# Altium PCB Stm32_pcb_Variante_2lados.PcbDoc
Units mm, origin at the board's own origin, x right, y up, seen from the top; angles counter-clockwise.
Board outline 59 x 25 mm, 2 copper layers (Top Layer, Bottom Layer); 36 components, 51 nets, 172 pads, 0 vias.
Unrouted connection lines stored in the file: 121.
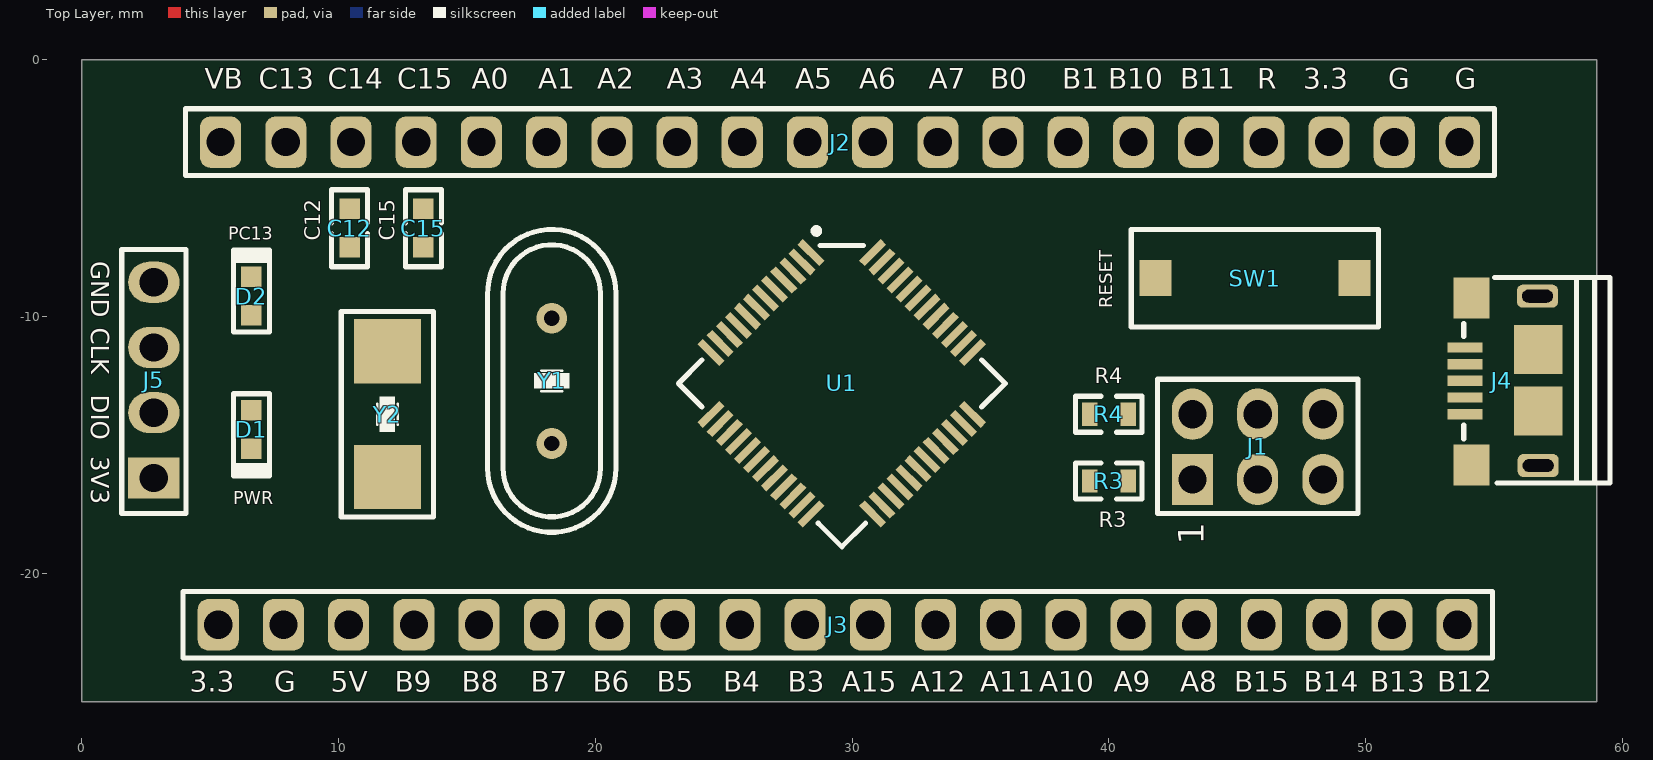
[diagram p0: Top Layer view]
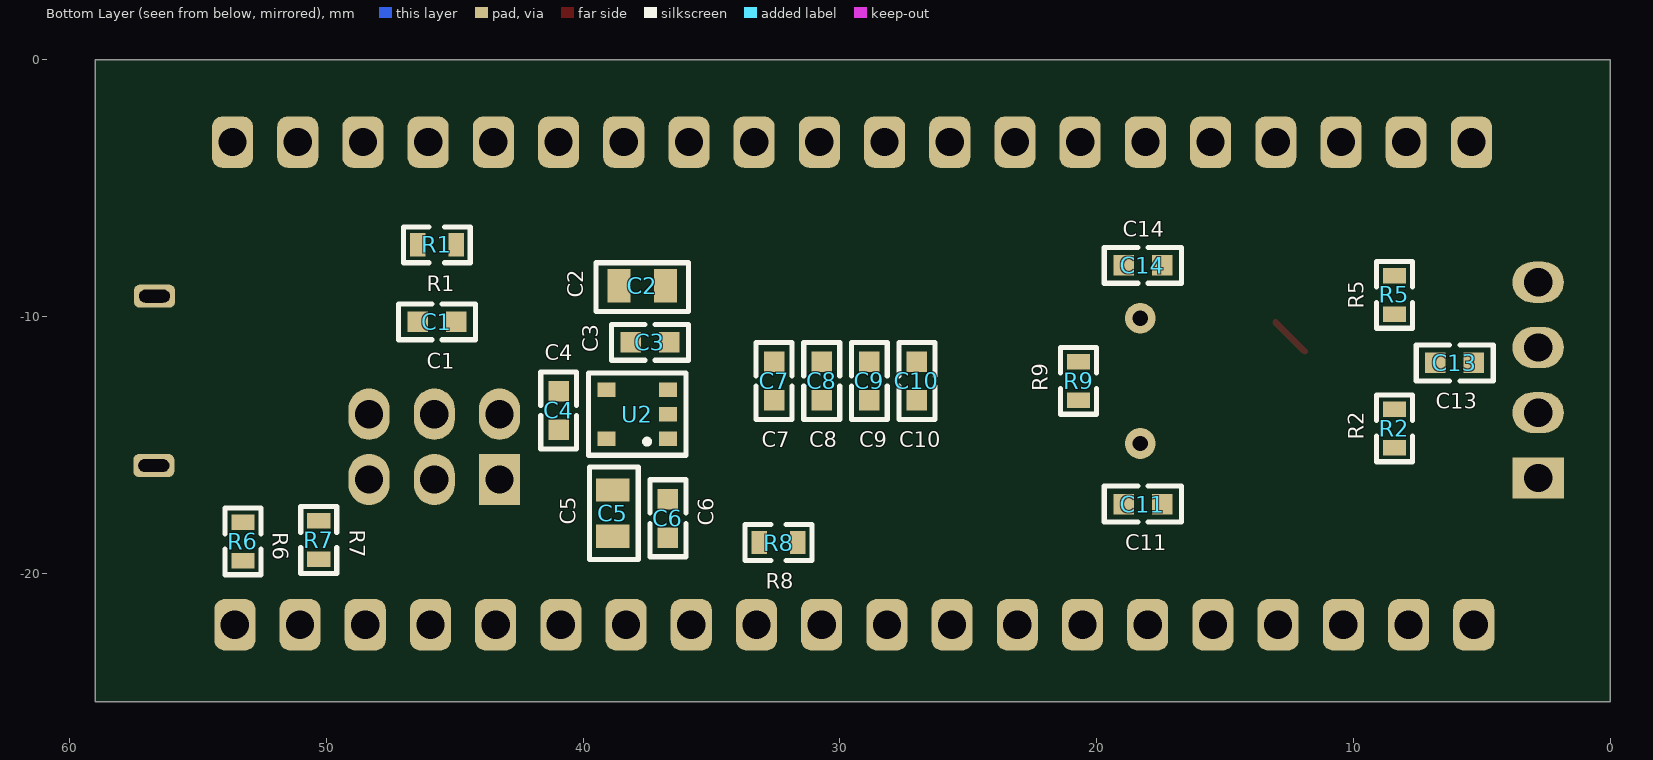
[diagram p1: Bottom Layer view, seen from below]

## Layer stack, top to bottom
Top Solder: solder mask 0.0102, Solder Resist, Dk 3.5
Top Layer: signal copper 0.0356
Dielectric 1: dielectric 0.32, FR-4, Dk 4.8
Bottom Layer: signal copper 0.0356
Bottom Solder: solder mask 0.0102, Solder Resist, Dk 3.5

## Board outline
0,0 0,-25 59,-25 59,0

## Design rules (kind name [scope] priority, off if disabled: settings)
Clearance [All] p1: gap=0.254 ignorepadtopadclearanceinfootprint=FALSE except(0: Arc-Hole Track-Hole SMDPad-Hole THPad-Hole Via-Hole Fill-Hole Poly-Hole Region-Hole Text-Hole)
PolygonConnect [All] p1: connectstyle=Relief reliefconductorwidth=0.254 reliefentries=4 polygonreliefangle="90 Angle" airgapwidth=0.254
RoutingVias [All] p1: holewidth=0.711 width=1.27 viastyle="Through Hole" minholewidth=0.711 minwidth=1.27 maxholewidth=0.711 maxwidth=1.27
SolderMaskExpansion [All] p1: expansion=0.102 istentingtop=FALSE
Width [All] p1: maxlimit=0.254 minlimit=0.254 preferedwidth=0.254
30 further rules are at their usual default settings.

## Components (designator, comment, footprint, x,y, rotation, side; value= is the part's Value field where it differs from the comment)
C1 "100nF" CP-0603 45.7,-10.2 r180 bottom
C2 "10uf / 16V" CP_0805 37.7,-8.8 r180 bottom
C3 "100nF" CP-0603 37.4,-11 r180 bottom
C4 "100nF" CP-0603 40.954,-13.654 r90 bottom
C5 "10uf / 16V" CP_0805 38.854,-17.654 r90 bottom
C6 "100nF" CP-0603 36.7,-17.854 r90 bottom
C7 "100nF" CP-0603 32.563,-12.5 r90 bottom locked
C8 "100nF" CP-0603 30.709,-12.5 r270 bottom locked
C9 "100nF" CP-0603 28.854,-12.5 r90 bottom locked
C10 "100nF" CP-0603 27,-12.5 r270 bottom locked
C11 "20pF" CP-0603 18.2,-17.3 r0 bottom
C12 "20pF" CP-0603 10.426,-6.554 r90 top
C13 "100nF" CP-0603 6.05,-11.8 r0 bottom
C14 "20pF" CP-0603 18.2,-8 r0 bottom
C15 "20pF" CP-0603 13.3,-6.554 r90 top
D1 "PWR" LED_Green 6.6,-14.4 r90 top
D2 "PC13" LED_Orange 6.6,-9.2 r270 top locked
J1 "HDR_2x3_2,54mm" "Header Male 2x3 2,54mm" 43.26,-16.34 r90 top locked
J2 "HDR_1x20_2,54mm" HDR_1X20_2,54MM 5.4,-3.2 r90 top locked
J3 "HDR_1x20_2,54mm" HDR2_1X20_2,54MM 5.31,-22 r90 top locked
J4 "10118193-0001LF" MICRO-USB 55.3,-12.5 r90 top locked
J5 "SWD" "HDR_M 1x4 2.54mm" 2.8,-16.28 r180 top locked
R1 "10K" R-0603 45.7,-7.2 r0 bottom
R2 "510r" R-0603 8.4,-14.35 r90 bottom
R3 "100K" R-0603 40,-16.4 r0 top
R4 "100K" R-0603 40,-13.8 r180 top
R5 "510r" R-0603 8.4,-9.15 r270 bottom
R6 "20r" R-0603 53.254,-18.754 r270 bottom
R7 "20r" R-0603 50.3,-18.7 r270 bottom
R8 "1,5k" R-0603 32.391,-18.8 r0 bottom
R9 "1M" R-0603 20.7,-12.5 r270 bottom
SW1 "RESET" "Push Button" 45.7,-8.5 r180 top locked
U1 "STM32F103C8T6" STM32F1 29.6,-12.6 r315 top
U2 "RT9193-33GB" SOT_23_5 37.9,-13.8 r0 bottom
Y1 "8Mhz" CK_8Mhz 18.3,-12.5 r270 top locked
Y2 "32.768Khz" CK_32.768KHZ 11.9,-13.8 r90 top

## Footprints (in the part's own frame and the unit in brackets; to place one, negate y for a bottom-side part, rotate by r counter-clockwise, add the part's x,y. Pads: shape width x height; smd on the part's side, far side on the other; paste and mask are expansions set on the pad)
CK_8Mhz [mm]
  round 1.2 hole 0.6: 1(-2.44,0) 2(2.44,0)
  silkscreen extent -5.9,-2.5 5.9,2.5, body extent -5.75,-2.5 5.75,2.5, height 3.51
CK_32.768KHZ [mm]
  rect 2.5x2.6 smd: 1(-2.45,0) 2(2.45,0)
  silkscreen extent -4,-1.8 4,1.8, body extent -3.05,-1.75 3.05,1.75, height 1.45
CP-0603 [mm]
  rect 0.8x0.8 smd: 1(-0.75,0) 2(0.75,0)
  silkscreen extent -1.5,-0.7 1.5,0.7, body extent -0.8,-0.4 0.8,0.4, height 0.81
CP_0805 [mm]
  rect 0.9x1.3 smd: 1(-0.9,0) 2(0.9,0)
  silkscreen extent -1.8,-1 1.8,0.9, body extent -1,-0.6 1,0.6, height 0.96
HDR2_1X20_2,54MM [mm]
  rrect50% 2x1.6 hole 1.1: 1(0,0) 2(0,-2.54) 3(0,-5.08) 4(0,-7.62) 5(0,-10.16) 6(0,-12.7) 7(0,-15.24) 8(0,-17.78) 9(0,-20.32) 10(0,-22.86) 11(0,-25.4) 12(0,-27.94) 13(0,-30.48) 14(0,-33.02) 15(0,-35.56) 16(0,-38.1) 17(0,-40.64) 18(0,-43.18) 19(0,-45.72) 20(0,-48.26)
  silkscreen extent -1.3,-49.63 1.3,1.37, body extent -1.27,-49.43 1.27,1.37, height 5.7
HDR_1X20_2,54MM [mm]
  rrect50% 2x1.6 hole 1.1: 1(0,0) 2(0,-2.54) 3(0,-5.08) 4(0,-7.62) 5(0,-10.16) 6(0,-12.7) 7(0,-15.24) 8(0,-17.78) 9(0,-20.32) 10(0,-22.86) 11(0,-25.4) 12(0,-27.94) 13(0,-30.48) 14(0,-33.02) 15(0,-35.56) 16(0,-38.1) 17(0,-40.64) 18(0,-43.18) 19(0,-45.72) 20(0,-48.26)
  silkscreen extent -1.3,-49.63 1.3,1.37, body extent -1.27,-49.43 1.27,1.37, height 5.7
"HDR_M 1x4 2.54mm" [mm]
  rect 2x1.6 hole 1.1: 1(0,0)
  oval 2x1.6 hole 1.1: 2(0,-2.54) 3(0,-5.08) 4(0,-7.62)
  silkscreen extent -1.25,-8.9 1.25,1.39, body extent -1.27,-8.89 1.27,1.27, height 9.21
"Header Male 2x3 2,54mm" [mm]
  rect 2x1.6 hole 1.1: 1(0,0)
  oval 2x1.6 hole 1.1: 2(2.54,0) 3(0,-2.54) 4(2.54,-2.54) 5(0,-5.08) 6(2.54,-5.08)
  silkscreen extent -1.33,-6.44 3.9,1.36, body extent -1.27,-6.35 3.81,1.27, height 9.21
LED_Green [mm]
  rect 0.8x0.8 smd: 1(-0.75,0) 2(0.75,0)
  silkscreen extent -1.8,-0.8 1.4,0.8, body extent -0.8,-0.4 0.8,0.4, height 0.4
LED_Orange [mm]
  rect 0.8x0.8 smd: 1(-0.75,0) 2(0.75,0)
  silkscreen extent -1.8,-0.8 1.4,0.8, body extent -0.8,-0.4 0.8,0.4, height 0.71
MICRO-USB [mm]
  rect 0.4x1.35 smd mask+0.05: 1(-1.3,1.425) 2(-0.65,1.425) 3(0,1.425) 4(0.65,1.425) 5(1.3,1.425)
  rect 1.6x1.4 smd mask+0.05: 6(-3.275,1.175) 7(3.225,1.175)
  rrect50% 0.9x1.6 hole 0.5 slot 1.2 at 90 deg mask+0.05: 8(-3.3,-1.425) 9(3.3,-1.4)
  rect 1.9x1.9 smd mask+0.05: 10(-1.175,-1.425) 11(1.225,-1.425)
  silkscreen extent -3.97,-4.22 4.03,1.48, body extent -3.93,-4.21 3.93,1.45, height 2.87
"Push Button" [mm]
  rect 1.25x1.4 smd: 1(-3.875,0) 2(3.875,0)
  silkscreen extent -4.8,-1.9 4.83,1.9, body extent -3.99,-1.9 4.01,1.8, height 2.51
R-0603 [mm]
  rect 0.6x0.9 smd: 1(-0.75,0) 2(0.75,0)
  silkscreen extent -1.3,-0.7 1.3,0.7, body extent -0.83,-0.42 0.77,0.43, height 0.81
SOT_23_5 [mm]
  rect 0.7x0.56 smd: 1(-1.2,0.95) 2(-1.2,0) 3(-1.2,-0.95) 4(1.2,-0.95) 5(1.2,0.95)
  silkscreen extent -1.9,-1.6 1.9,1.6, body extent -1.25,-1.5 1.25,1.5, height 1.11
STM32F1 [mm]
  rect 1.2x0.3 smd mask+0.03: 1(-4.45,2.75) 2(-4.45,2.25) 3(-4.45,1.75) 4(-4.45,1.25) 5(-4.45,0.75) 6(-4.45,0.25) 7(-4.45,-0.25) 8(-4.45,-0.75) 9(-4.45,-1.25) 10(-4.45,-1.75) 11(-4.45,-2.25) 12(-4.45,-2.75) 25(4.45,-2.75) 26(4.45,-2.25) 27(4.45,-1.75) 28(4.45,-1.25) 29(4.45,-0.75) 30(4.45,-0.25) 31(4.45,0.25) 32(4.45,0.75) 33(4.45,1.25) 34(4.45,1.75) 35(4.45,2.25) 36(4.45,2.75)
  rect 0.3x1.2 smd mask+0.03: 13(-2.75,-4.45) 14(-2.25,-4.45) 15(-1.75,-4.45) 16(-1.25,-4.45) 17(-0.75,-4.45) 18(-0.25,-4.45) 19(0.25,-4.45) 20(0.75,-4.45) 21(1.25,-4.45) 22(1.75,-4.45) 23(2.25,-4.45) 24(2.75,-4.45) 37(2.75,4.45) 38(2.25,4.45) 39(1.75,4.45) 40(1.25,4.45) 41(0.75,4.45) 42(0.25,4.45) 43(-0.25,4.45) 44(-0.75,4.45) 45(-1.25,4.45) 46(-1.75,4.45) 47(-2.25,4.45) 48(-2.75,4.45)
  silkscreen extent -5,-4.5 4.5,4.5, body extent -4.5,-4.5 4.5,4.5, height 1.56

## Part data
C1 C3 C4 C6 C7 C8 C9 C10 C13: library part C-0603_100nF, "Multilayer Ceramic Capacitors (MLCC) - SMD/SMT 50volts 0.1uF X7R 10%", Case Code (Imperial)=0603, Case Code (Metric)=1608, Dielectric=X7R, Dielectric Material=Ceramic, Manufacturer=KEMET, Manufacturer Part Number=C0603C104K5RACTU, Max Operating Temperature=125°C, Min Operating Temperature=-55°C, Package Quantity=1, Supplier Part Number 1=399-C0603C104K5RAC7867CT-ND, Tolerance=10%, Voltage=50V, Capacitance=100nF, Case/Package=0603, Category="Ceramic Capacitors", Contact Plating=Tin,Matte, Depth=0.8mm, Dissipation Factor=2.5%, Height=0.8mm, Lead Pitch=0.7mm, Length=0.063inch, Mount="Surface Mount", Number of Pins=2, Packaging="Tape and Reel", Pricing 1="1=0,11000, 10=0,08100, 50=0,04400, 100=0,03600, 500=0,02572, 1000=0,02021 (USD)", Radiation Hardening=No, REACH SVHC="No SVHC", RoHS=Yes, RoHS Compliant=Yes, Series="SMD Comm X7R", Stock 1=8270795, Supplier 1=Digi-Key, Termination=SMD/SMT, Thickness=0.034inch, Voltage Rating=50V, Voltage Rating (DC)=50V, Width=0.031inch
C2 C5: library part "C-0805 10uF / 16V", "TDK - C2012X5R1C106M085AC - SMD Multilayer Ceramic Capacitor, 10 µF, 16 V, 0805 [2012 Metric], ± 20%, X5R, C Series TDK", Capacitance=10uF, Case Code (Imperial)=0805, Case Code (Metric)=2012, Dielectric=X5R, Dielectric Material=Ceramic, Manufacturer=TDK, Manufacturer Part Number=C2012X5R1C106M085AC, Max Operating Temperature=85°C, Min Operating Temperature=-55°C, Package Quantity=4000, Supplier Part Number 1=445-7645-1-ND, Tolerance=20%, Voltage=16V, Case/Package=0805, Category="Ceramic Capacitors", ComponentLink1Description=https://datasheet.ciiva.com/24218/c2012x5r1c106m085ac-265002-24218340.pdf?src-supplier=Mouser, ComponentLink1URL=https://datasheet.ciiva.com/24218/c2012x5r1c106m085ac-265002-24218340.pdf?src-supplier=Mouser, ComponentLink2Description=https://datasheet.ciiva.com/11788/0900766b80c1bb00-11788108.pdf?src-supplier=RSComponents, ComponentLink2URL=https://datasheet.ciiva.com/11788/0900766b80c1bb00-11788108.pdf?src-supplier=RSComponents, ComponentLink3Description=https://datasheet.ciiva.com/6290/tdkmlcccaprange-6290487.pdf?src-supplier=Digi-Key, ComponentLink3URL=https://datasheet.ciiva.com/6290/tdkmlcccaprange-6290487.pdf?src-supplier=Digi-Key, ComponentLink4Description=https://datasheet.ciiva.com/6290/tdkmlcccaprange-6290485.pdf?src-supplier=Digi-Key, ComponentLink4URL=https://datasheet.ciiva.com/6290/tdkmlcccaprange-6290485.pdf?src-supplier=Digi-Key, ComponentLink5Description=https://datasheet.ciiva.com/16449/e412-c-16449591.pdf?src-supplier=Future+Electronics, ComponentLink5URL=https://datasheet.ciiva.com/16449/e412-c-16449591.pdf?src-supplier=Future+Electronics, ComponentLink6Description=https://datasheet.ciiva.com/22725/1913358-22725557.pdf?src-supplier=Element14, ComponentLink6URL=https://datasheet.ciiva.com/22725/1913358-22725557.pdf?src-supplier=Element14, ComponentLink7Description=https://datasheet.ciiva.com/23803/1796654-23803021.pdf?src-supplier=Newark, ComponentLink7URL=https://datasheet.ciiva.com/23803/1796654-23803021.pdf?src-supplier=Newark, Construction=Flat, Depth=1.25mm, Height=0.85mm, Lead Free="Lead Free", Length=2mm, Mount="Surface Mount", Number of Pins=2, Packaging="Tape and Reel", Pricing 1="1=0,28000, 10=0,19000, 50=0,11380, 100=0,09610, 500=0,06578, 1000=0,05819 (USD)", REACH SVHC="No SVHC", Resistor Type=Ceramic, RoHS=Yes, Series=C, Stock 1=520514, Supplier 1=Digi-Key, Termination=SMD/SMT, Thickness=0.037inch, Voltage Rating=16V, Voltage Rating (DC)=16V, Weight=0.000194oz, Width=0.049inch
C11 C12 C14 C15: library part C-0603_20pF, "Cap Ceramic 20pF 50V C0G 2% SMD 0603 125°C Paper T/R", Case/Package=0603, Dielectric=C0G, Dielectric Material=Ceramic, Manufacturer=KEMET, Manufacturer Part Number=C0603C200G5GAC7867, Max Operating Temperature=125°C, Min Operating Temperature=-55°C, Supplier Part Number 1=399-14497-1-ND, Tolerance=2%, Voltage Rating (DC)=50V, Capacitance=20pF, Category="Ceramic Capacitors", ComponentLink1Description=https://api.kemet.com/component-edge/download/datasheet/C0603C200G5GACTU.pdf?src-supplier=Digi-Key, ComponentLink1URL=https://api.kemet.com/component-edge/download/datasheet/C0603C200G5GACTU.pdf?src-supplier=Digi-Key, ComponentLink2Description=http://capacitoredge.kemet.com/capedge2/DataSheet?pn=C0603C200G5GAC7867, ComponentLink2URL=http://capacitoredge.kemet.com/capedge2/DataSheet?pn=C0603C200G5GAC7867, Depth=0.8mm, Height=0.8mm, Lead Free="Lead Free", Length=1.6mm, Mount="Surface Mount", Pricing 1="1=0,68000, 10=0,47800, 50=0,36140, 100=0,31470, 500=0,23310, 1000=0,19814 (USD)", Radiation Hardening=No, RoHS=Yes, Stock 1=1306, Supplier 1=Digi-Key
D1: library part LED_Green, "LED Uni-Color Green 2-Pin Chip 0603(1608Metric) T/R", Case Code (Imperial)=0603, Case Code (Metric)=1608, Color=Green, Forward Current=20mA, Forward Voltage=2V, Lens Color=White, Manufacturer="Osram Opto", Manufacturer Part Number="LG Q396-PS-35", Supplier Part Number 1=LGQ396-PS-35-ND, Case/Package=0603, Category=LEDs, ComponentLink1Description=http://www.farnell.com/datasheets/2057314.pdf?src-supplier=Farnell, ComponentLink1URL=http://www.farnell.com/datasheets/2057314.pdf?src-supplier=Farnell, ComponentLink2Description=http://www.farnell.com/datasheets/2057314.pdf?src-supplier=Element14, ComponentLink2URL=http://www.farnell.com/datasheets/2057314.pdf?src-supplier=Element14, ComponentLink3Description=https://dammedia.osram.info/media/resource/hires/osram-dam-2493948/LG%20Q396.pdf?src-supplier=Digi-Key, ComponentLink3URL=https://dammedia.osram.info/media/resource/hires/osram-dam-2493948/LG%20Q396.pdf?src-supplier=Digi-Key, ComponentLink4Description=http://www.farnell.com/datasheets/2057314.pdf?src-supplier=Newark, ComponentLink4URL=http://www.farnell.com/datasheets/2057314.pdf?src-supplier=Newark, ComponentLink5Description=http://www.osram-os.com/Graphics/XPic6/00153197_0.pdf?src-supplier=Digi-Key, ComponentLink5URL=http://www.osram-os.com/Graphics/XPic6/00153197_0.pdf?src-supplier=Digi-Key, Dominant Wavelength=573nm, Height=0.4mm, Length=1.6mm, Lens Size=0.8mm, Lens Style=Flat,Rectangular, Lens Transparency=Diffused, Luminous Intensity=163mcd, Mount="Surface Mount", Packaging="Tape and Reel", REACH SVHC="No SVHC", RoHS=Yes, RoHS Compliant=Yes, Supplier 1=Digi-Key, Test Current=20mA, Viewing Angle=120°, Wavelength=573nm, Width=0.8mm
D2: library part LED_Orange, "Smartled Orange Lc", Case Code (Imperial)=0603, Case Code (Metric)=1608, Color=Orange, Forward Current=20mA, Forward Voltage=2.2V, Lens Color=White, Manufacturer="Osram Opto", Manufacturer Part Number=LOL29K-H2K1-24-Z, Max Operating Temperature=100°C, Min Operating Temperature=-40°C, Package Quantity=5000, Reverse Voltage=12V, Supplier Part Number 1="LO L29K-H2K1-24-Z", Test Current=2mA, Case/Package=0603, Category=Uncategorized, ComponentLink1Description=https://datasheet.ciiva.com/2112/00077105-0-2112905.pdf?src-supplier=Digi-Key, ComponentLink1URL=https://datasheet.ciiva.com/2112/00077105-0-2112905.pdf?src-supplier=Digi-Key, ComponentLink2Description=https://datasheet.ciiva.com/2112/00077105-0-2112904.pdf?src-supplier=Digi-Key, ComponentLink2URL=https://datasheet.ciiva.com/2112/00077105-0-2112904.pdf?src-supplier=Digi-Key, ComponentLink3Description=https://datasheet.ciiva.com/2112/00077105-0-2112906.pdf?src-supplier=Digi-Key, ComponentLink3URL=https://datasheet.ciiva.com/2112/00077105-0-2112906.pdf?src-supplier=Digi-Key, ComponentLink4Description=https://datasheet.ciiva.com/15198/getdatasheetpartid-693885-15198412.pdf?src-supplier=Verical, ComponentLink4URL=https://datasheet.ciiva.com/15198/getdatasheetpartid-693885-15198412.pdf?src-supplier=Verical, Depth=0.8mm, Dominant Wavelength=606nm, Height=0.65mm, Illumination Color=Orange, Length=1.3mm, Lens Size=0.8mm, Lens Style=Flat,Diffused,Colorless,Rectangular, Lens Transparency=Diffused, Luminous Flux=0.025lm, Luminous Intensity=9mcd, Mount="Surface Mount", Number of Elements=1, Number of LEDs=1, Number of Pins=2, Packaging="Tape and Reel", Radiation Hardening=No, RoHS=Yes, RoHS Compliant=Yes, Series=SmartLED, Supplier 1="Arrow Electronics", Viewing Angle=160°, Width=0.8mm
J1: "2.54mm (0.1\") Pitch DIL Vertical PC Tail Pin Header, 8.5mm mating pin height, tin, 3+3 contacts", Color=Black, Contact Resistance=30mR, Current Rating=3A, Insulation Resistance=10GR, Manufacturer=Harwin, Manufacturer Part Number=M20-9970346, Max Operating Temperature=105°C, Min Operating Temperature=-40°C, Package Quantity=1000, Supplier Part Number 1=952-3290-ND, Category="Headers and Wire Housings", ComponentLink1Description=https://datasheet.ciiva.com/5162/m20-997-351477-5162774.pdf?src-supplier=Mouser, ComponentLink1URL=https://datasheet.ciiva.com/5162/m20-997-351477-5162774.pdf?src-supplier=Mouser, ComponentLink2Description=https://datasheet.ciiva.com/11747/0900766b80da602a-11747466.pdf?src-supplier=RSComponents, ComponentLink2URL=https://datasheet.ciiva.com/11747/0900766b80da602a-11747466.pdf?src-supplier=RSComponents, Connector Type="Male Pin", Contact Material=Brass,Bronze, Contact Mating Length=0.335inch, Contact Plating=Tin, Contact Type="Male Pin", Depth=5.08mm, Housing Color=Black, Housing Material=Nylon, Length=7.62mm, Max Current Rating=3A, Mount="Through Hole", Number of Contacts=6, Number of Positions=6, Number of Rows=2, Orientation=Straight, Packaging=Bulk, Pitch=2.54mm, Pricing 1="1=0,44000, 10=0,37400, 100=0,29070, 500=0,24916, 1000=0,20764, 5000=0,17798, 10000=0,16611 (USD)", REACH SVHC="No SVHC", RoHS=Yes, Row Spacing=0.1inch, Series=M20, Stock 1=1303, Supplier 1=Digi-Key, Termination=Solder
J2: library part HDR_1x20_p1, "2.54mm (0.1\") Pitch SIL Vertical PC Tail Pin Header, 6.1mm mating pin height, tin, 20 contacts", Case/Package=SIL, Color=Black, Contact Resistance=30mR, Current Rating=3A, Insulation Resistance=10GR, Manufacturer=Harwin, Manufacturer Part Number=M20-9992046, Max Operating Temperature=105°C, Min Operating Temperature=-40°C, Package Quantity=200, Supplier Part Number 1=952-1902-ND, Category="Headers and Wire Housings", ComponentLink1Description=https://datasheet.ciiva.com/11746/0900766b80da602d-11746823.pdf?src-supplier=RSComponents, ComponentLink1URL=https://datasheet.ciiva.com/11746/0900766b80da602d-11746823.pdf?src-supplier=RSComponents, ComponentLink2Description=https://datasheet.ciiva.com/9480/m20-999-9480261.pdf?src-supplier=Avnet, ComponentLink2URL=https://datasheet.ciiva.com/9480/m20-999-9480261.pdf?src-supplier=Avnet, ComponentLink3Description=https://datasheet.ciiva.com/5162/m20-999-351179-5162878.pdf?src-supplier=Mouser, ComponentLink3URL=https://datasheet.ciiva.com/5162/m20-999-351179-5162878.pdf?src-supplier=Mouser, ComponentLink4Description=https://datasheet.ciiva.com/6814/m20-999-6814908.pdf?src-supplier=Digi-Key, ComponentLink4URL=https://datasheet.ciiva.com/6814/m20-999-6814908.pdf?src-supplier=Digi-Key, ComponentLink5Description=https://datasheet.ciiva.com/8046/315376-8046943.pdf?src-supplier=Element14, ComponentLink5URL=https://datasheet.ciiva.com/8046/315376-8046943.pdf?src-supplier=Element14, Connector Type="Male Pin", Contact Material=Brass,Bronze, Contact Mating Length=0.24inch, Contact Plating=Tin, Contact Type="Male Pin", Depth=2.54mm, Gender=Male, Housing Color=Black, Housing Material=Nylon, Length=50.8mm, Max Current Rating=3A, Mount="Through Hole", Number of Contacts=20, Number of Positions=20, Number of Rows=1, Orientation=Straight, Packaging=Bulk, Pitch=2.54mm, Pricing 1="1=0,81000, 10=0,70300, 100=0,57960, 500=0,50400, 1000=0,41580, 5000=0,36540, 10000=0,34020 (USD)", REACH SVHC="No SVHC", RoHS=Yes, RoHS Compliant=Yes, Series=M20, Stock 1=425, Supplier 1=Digi-Key, Termination=Solder
J3: library part HDR_1x20_p2, "2.54mm (0.1\") Pitch SIL Vertical PC Tail Pin Header, 6.1mm mating pin height, tin, 20 contacts", Case/Package=SIL, Color=Black, Contact Resistance=30mR, Current Rating=3A, Insulation Resistance=10GR, Manufacturer=Harwin, Manufacturer Part Number=M20-9992046, Max Operating Temperature=105°C, Min Operating Temperature=-40°C, Package Quantity=200, Supplier Part Number 1=952-1902-ND, Category="Headers and Wire Housings", ComponentLink1Description=https://datasheet.ciiva.com/11746/0900766b80da602d-11746823.pdf?src-supplier=RSComponents, ComponentLink1URL=https://datasheet.ciiva.com/11746/0900766b80da602d-11746823.pdf?src-supplier=RSComponents, ComponentLink2Description=https://datasheet.ciiva.com/9480/m20-999-9480261.pdf?src-supplier=Avnet, ComponentLink2URL=https://datasheet.ciiva.com/9480/m20-999-9480261.pdf?src-supplier=Avnet, ComponentLink3Description=https://datasheet.ciiva.com/5162/m20-999-351179-5162878.pdf?src-supplier=Mouser, ComponentLink3URL=https://datasheet.ciiva.com/5162/m20-999-351179-5162878.pdf?src-supplier=Mouser, ComponentLink4Description=https://datasheet.ciiva.com/6814/m20-999-6814908.pdf?src-supplier=Digi-Key, ComponentLink4URL=https://datasheet.ciiva.com/6814/m20-999-6814908.pdf?src-supplier=Digi-Key, ComponentLink5Description=https://datasheet.ciiva.com/8046/315376-8046943.pdf?src-supplier=Element14, ComponentLink5URL=https://datasheet.ciiva.com/8046/315376-8046943.pdf?src-supplier=Element14, Connector Type="Male Pin", Contact Material=Brass,Bronze, Contact Mating Length=0.24inch, Contact Plating=Tin, Contact Type="Male Pin", Depth=2.54mm, Gender=Male, Housing Color=Black, Housing Material=Nylon, Length=50.8mm, Max Current Rating=3A, Mount="Through Hole", Number of Contacts=20, Number of Positions=20, Number of Rows=1, Orientation=Straight, Packaging=Bulk, Pitch=2.54mm, Pricing 1="1=0,81000, 10=0,70300, 100=0,57960, 500=0,50400, 1000=0,41580, 5000=0,36540, 10000=0,34020 (USD)", REACH SVHC="No SVHC", RoHS=Yes, RoHS Compliant=Yes, Series=M20, Stock 1=425, Supplier 1=Digi-Key, Termination=Solder
J4: library part Micro-Usb, "FCI Right Angle Surface Mount Mount Female USB Connector; 100 V ac; 1.8A", Manufacturer="Amphenol ICC / FCI", Supplier Part Number 1=67T2259, Category="USB Connectors", ComponentLink1Description=http://uk.rs-online.com/webdocs/1450/0900766b814507f1.pdf?src-supplier=RSComponents, ComponentLink1URL=http://uk.rs-online.com/webdocs/1450/0900766b814507f1.pdf?src-supplier=RSComponents, ComponentLink2Description=http://www.amphenol-icc.com/media/wysiwyg/files/drawing/10118193.pdf?src-supplier=Digi-Key, ComponentLink2URL=http://www.amphenol-icc.com/media/wysiwyg/files/drawing/10118193.pdf?src-supplier=Digi-Key, ComponentLink3Description=https://cdn.amphenol-icc.com/media/wysiwyg/files/documentation/datasheet/inputoutput/io_usb_micro.pdf?src-supplier=Digi-Key, ComponentLink3URL=https://cdn.amphenol-icc.com/media/wysiwyg/files/documentation/datasheet/inputoutput/io_usb_micro.pdf?src-supplier=Digi-Key, ComponentLink4Description=https://cdn.amphenol-icc.com/media/wysiwyg/files/documentation/datasheet/inputoutput/io_usb_micro.pdf?src-supplier=Verical, ComponentLink4URL=https://cdn.amphenol-icc.com/media/wysiwyg/files/documentation/datasheet/inputoutput/io_usb_micro.pdf?src-supplier=Verical, ComponentLink5Description=https://cdn.amphenol-icc.com/media/wysiwyg/files/documentation/datasheet/inputoutput/io_usb_micro.pdf?src-supplier=Onlinecomponents.com, ComponentLink5URL=https://cdn.amphenol-icc.com/media/wysiwyg/files/documentation/datasheet/inputoutput/io_usb_micro.pdf?src-supplier=Onlinecomponents.com, ComponentLink6Description=https://cdn.amphenol-icc.com/media/wysiwyg/files/documentation/datasheet/inputoutput/io_usb_micro.pdf?src-supplier=Allied+Electronics, ComponentLink6URL=https://cdn.amphenol-icc.com/media/wysiwyg/files/documentation/datasheet/inputoutput/io_usb_micro.pdf?src-supplier=Allied+Electronics, ComponentLink7Description=https://cdn.amphenol-icc.com/media/wysiwyg/files/documentation/datasheet/inputoutput/io_usb_micro.pdf?src-supplier=Avnet, ComponentLink7URL=https://cdn.amphenol-icc.com/media/wysiwyg/files/documentation/datasheet/inputoutput/io_usb_micro.pdf?src-supplier=Avnet, ComponentLink8Description=https://cdn.amphenol-icc.com/media/wysiwyg/files/documentation/datasheet/inputoutput/io_usb_micro.pdf?src-supplier=Mouser, ComponentLink8URL=https://cdn.amphenol-icc.com/media/wysiwyg/files/documentation/datasheet/inputoutput/io_usb_micro.pdf?src-supplier=Mouser, ComponentLink9Description=https://cdn.amphenol-icc.com/media/wysiwyg/files/documentation/datasheet/inputoutput/io_usb_micro.pdf?src-supplier=Arrow+Electronics, ComponentLink9URL=https://cdn.amphenol-icc.com/media/wysiwyg/files/documentation/datasheet/inputoutput/io_usb_micro.pdf?src-supplier=Arrow+Electronics, ComponentLink10Description=https://cdn.amphenol-icc.com/media/wysiwyg/files/documentation/datasheet/inputoutput/io_usb_micro.pdf?src-supplier=RSComponents, ComponentLink10URL=https://cdn.amphenol-icc.com/media/wysiwyg/files/documentation/datasheet/inputoutput/io_usb_micro.pdf?src-supplier=RSComponents, ComponentLink11Description=https://cdn.amphenol-icc.com/media/wysiwyg/files/documentation/datasheet/inputoutput/io_usb_micro.pdf?src-supplier=Heilind+Electronics, ComponentLink11URL=https://cdn.amphenol-icc.com/media/wysiwyg/files/documentation/datasheet/inputoutput/io_usb_micro.pdf?src-supplier=Heilind+Electronics, ComponentLink12Description=https://cdn.amphenol-icc.com/media/wysiwyg/files/documentation/datasheet/inputoutput/io_usb_micro.pdf?src-supplier=TTI, ComponentLink12URL=https://cdn.amphenol-icc.com/media/wysiwyg/files/documentation/datasheet/inputoutput/io_usb_micro.pdf?src-supplier=TTI, ComponentLink13Description=https://cdn.amphenol-icc.com/media/wysiwyg/files/documentation/datasheet/inputoutput/io_usb_micro.pdf?src-supplier=TME, ComponentLink13URL=https://cdn.amphenol-icc.com/media/wysiwyg/files/documentation/datasheet/inputoutput/io_usb_micro.pdf?src-supplier=TME, Manufacturer Part Number=10118193-0001LF, Pricing 1="1=0,53800, 25=0,38000, 100=0,36700, 250=0,34300, 500=0,31900 (USD)", RoHS=No, Stock 1=17288, Supplier 1=Avnet
J5: library part HDR_1x4_2.54mm, "Conn Unshrouded Header HDR 4 POS 2.54mm Solder ST Top Entry Thru-Hole T/R", Color=Black, Current Rating=3A, Insulation Resistance=5GR, Manufacturer="Amphenol ICC / FCI", Manufacturer Part Number=77311-462K04LF, Max Operating Temperature=125°C, Max Voltage Rating (AC)=1.5kV, Min Operating Temperature=-65°C, Package Quantity=1400, Category="Headers and Wire Housings", ComponentLink1Description=https://datasheet.ciiva.com/739/77311-739277.pdf?src-supplier=Digi-Key, ComponentLink1URL=https://datasheet.ciiva.com/739/77311-739277.pdf?src-supplier=Digi-Key, ComponentLink2Description=https://datasheet.ciiva.com/739/77311-739280.pdf?src-supplier=Digi-Key, ComponentLink2URL=https://datasheet.ciiva.com/739/77311-739280.pdf?src-supplier=Digi-Key, ComponentLink3Description=https://datasheet.ciiva.com/10147/77311-10147511.pdf?src-supplier=Avnet, ComponentLink3URL=https://datasheet.ciiva.com/10147/77311-10147511.pdf?src-supplier=Avnet, Connector Type="Male Pin", Contact Gender=Male, Contact Material=Bronze, Contact Mating Length=0.531inch, Contact Plating=Tin, Contact Post Length=3.05mm, Contact Type="Male Pin", Depth=2.4mm, Gender=Male, Housing Color=Black, Housing Material=Thermoplastic, Lead Free="Lead Free", Length=10.16mm, Mount="Through Hole", Number of Contacts=4, Number of Positions=4, Number of Rows=1, Orientation=Straight, Packaging="Tape and Reel", Pitch=2.54mm, Radiation Hardening=No, RoHS=Yes, Series="BERGSTIK®, MezzSelect™, Basics+", Supplier 1="Arrow Electronics", Supplier Part Number 1=77311-462K04LF, Termination=Solder, Voltage Rating=1.5kV
R1: library part R_0603_10K, "Res Thin Film 0603 10K Ohm 0.5% 0.1W(1/10W) ±50ppm/C Epoxy SMD T/R", Case Code (Imperial)=0603, Case Code (Metric)=1608, Manufacturer=Yageo, Manufacturer Part Number=RT0603DRE0710KL, Max Operating Temperature=125°C, Max Power Dissipation=100mW, Min Operating Temperature=-55°C, Package Quantity=5000, Resistance=10kR, Resistor Type="Thin Film", Supplier Part Number 1=YAG2318CT-ND, Temperature Coefficient=50ppm/°C, Tolerance=0.5%, Voltage Rating=75V, Voltage Rating (DC)=50V, Case/Package=0603, Category="Chip SMD Resistors", ComponentLink1Description=https://datasheet.ciiva.com/2565/pyu-rt-1-to-0-05-rohs-l-5-2565939.pdf?src-supplier=Digi-Key, ComponentLink1URL=https://datasheet.ciiva.com/2565/pyu-rt-1-to-0-05-rohs-l-5-2565939.pdf?src-supplier=Digi-Key, Construction=Rectangular, Depth=0.8mm, Features="Moisture Resistant", Height=0.022inch, Lead Free="Lead Free", Length=0.063inch, Military Standard=Not, Number of Terminations=2, Packaging="Tape and Reel", Power Rating=100mW, Pricing 1="1=0,11000, 10=0,09600, 100=0,03700, 1000=0,01626, 2500=0,01404 (USD)", RoHS=Yes, RoHS Compliant=Yes, Series=RT, Size Code=0603, Stock 1=494, Supplier 1=Digi-Key, Termination=SMD/SMT, Width=0.031inch
R2 R5: library part R_0603_510r, "Res Thick Film 0603 510 Ohm 1% 1/10W 100ppm/C Molded SMD Paper T/R", Case Code (Imperial)=0603, Case Code (Metric)=1608, Manufacturer=Yageo, Manufacturer Part Number=RC0603FR-07510RL, Max Operating Temperature=155°C, Max Power Dissipation=100mW, Min Operating Temperature=-55°C, Resistance=510R, Resistance Tolerance=1%, Resistor Type="Thick Film", Supplier Part Number 1=311-510HRCT-ND, Temperature Coefficient=100ppm/°C, Voltage Rating=75V, Voltage Rating (DC)=50V, Case/Package=0603, Category="Chip SMD Resistors", ComponentLink1Description=https://datasheet.ciiva.com/11808/0900766b80f96399-11808268.pdf?src-supplier=RSComponents, ComponentLink1URL=https://datasheet.ciiva.com/11808/0900766b80f96399-11808268.pdf?src-supplier=RSComponents, ComponentLink2Description=https://datasheet.ciiva.com/46395/443971-46395013.pdf?src-supplier=Element14, ComponentLink2URL=https://datasheet.ciiva.com/46395/443971-46395013.pdf?src-supplier=Element14, ComponentLink3Description=https://datasheet.ciiva.com/8883/pyu-rc0603-51-rohs-l-4-8883078.pdf?src-supplier=Avnet, ComponentLink3URL=https://datasheet.ciiva.com/8883/pyu-rc0603-51-rohs-l-4-8883078.pdf?src-supplier=Avnet, Construction=Rectangular, Contact Plating=Tin,Matte, Depth=0.8mm, Features="Moisture Resistant", Height=0.45mm, Lead Free="Lead Free", Length=1.6mm, Military Standard=Not, Number of Pins=2, Number of Terminations=2, Packaging="Tape and Reel", Power Rating=100mW, Pricing 1="1=0,10000, 10=0,02300, 100=0,00930, 1000=0,00417, 2500=0,00362 (USD)", REACH SVHC="No SVHC", RoHS=Yes, RoHS Compliant=Yes, Series=RC, Size Code=0603, Stock 1=1855476, Supplier 1=Digi-Key, Technology="THICK FILM", Termination=SMD/SMT, Tolerance=1%, Weight=7.1E-05oz, Width=0.8mm
R3 R4: library part R_0603_100K, "RES SMD 100K OHM 1% 1/10W 0603", Case Code (Imperial)=0603, Case Code (Metric)=1608, Manufacturer=Yageo, Manufacturer Part Number=RC0603FR-07100KL, Max Operating Temperature=155°C, Max Power Dissipation=100mW, Min Operating Temperature=-55°C, Resistance=100kR, Resistance Tolerance=1%, Resistor Type="Thick Film", Supplier Part Number 1=311-100KHRCT-ND, Temperature Coefficient=100ppm/°C, Voltage Rating=50V, Working Voltage=75V, Case/Package=0603, Category="Chip SMD Resistors", ComponentLink1Description=https://datasheet.ciiva.com/11808/0900766b80f96399-11808107.pdf?src-supplier=RSComponents, ComponentLink1URL=https://datasheet.ciiva.com/11808/0900766b80f96399-11808107.pdf?src-supplier=RSComponents, ComponentLink2Description=https://datasheet.ciiva.com/7983/443971-7983593.pdf?src-supplier=Element14, ComponentLink2URL=https://datasheet.ciiva.com/7983/443971-7983593.pdf?src-supplier=Element14, ComponentLink3Description=https://datasheet.ciiva.com/22747/443971-22747516.pdf?src-supplier=Element14, ComponentLink3URL=https://datasheet.ciiva.com/22747/443971-22747516.pdf?src-supplier=Element14, ComponentLink4Description=https://datasheet.ciiva.com/46440/1868787-46440889.pdf?src-supplier=Element14, ComponentLink4URL=https://datasheet.ciiva.com/46440/1868787-46440889.pdf?src-supplier=Element14, ComponentLink5Description=https://datasheet.ciiva.com/7746/1738695-7746235.pdf?src-supplier=Element14, ComponentLink5URL=https://datasheet.ciiva.com/7746/1738695-7746235.pdf?src-supplier=Element14, ComponentLink6Description=https://datasheet.ciiva.com/7746/1738695-7746234.pdf?src-supplier=Element14, ComponentLink6URL=https://datasheet.ciiva.com/7746/1738695-7746234.pdf?src-supplier=Element14, Construction=Rectangular, Depth=0.8mm, Features="Moisture Resistant", Height=0.45mm, Lead Free="Lead Free", Length=1.6mm, Military Standard=Not, Number of Pins=2, Number of Terminations=2, Packaging="Tape and Reel", Power Rating=100mW, Pricing 1="1=0,10000, 10=0,02300, 100=0,00930, 1000=0,00417, 2500=0,00362 (USD)", REACH SVHC="No SVHC", RoHS=Yes, RoHS Compliant=Yes, Series=RC, Stock 1=18667121, Supplier 1=Digi-Key, Technology="THICK FILM", Termination=SMD/SMT, Tolerance=1%, Voltage Rating (DC)=50V, Width=0.8mm
R6 R7: library part R_0603_20r, "Res Thick Film 0603 20 Ohm 1% 0.1W(1/10W) ±100ppm/C Pad SMD T/R", Case Code (Imperial)=0603, Case Code (Metric)=1608, Manufacturer=Yageo, Manufacturer Part Number=RC0603FR-0720RL, Max Operating Temperature=155°C, Max Power Dissipation=100mW, Min Operating Temperature=-55°C, Package Quantity=1, Resistance=20R, Resistance Tolerance=1%, Resistor Type="Thick Film", Supplier Part Number 1=311-20.0HRCT-ND, Temperature Coefficient=100ppm/°C, Voltage Rating=50V, Working Voltage=75V, Case/Package=0603, Category="Chip SMD Resistors", ComponentLink1Description=https://datasheet.ciiva.com/11819/0900766b80f96399-11819290.pdf?src-supplier=RSComponents, ComponentLink1URL=https://datasheet.ciiva.com/11819/0900766b80f96399-11819290.pdf?src-supplier=RSComponents, ComponentLink2Description=https://datasheet.ciiva.com/46395/443971-46395031.pdf?src-supplier=Element14, ComponentLink2URL=https://datasheet.ciiva.com/46395/443971-46395031.pdf?src-supplier=Element14, ComponentLink3Description=https://datasheet.ciiva.com/2454/pyu-r-int-thick-7-2454028.pdf?src-supplier=Digi-Key, ComponentLink3URL=https://datasheet.ciiva.com/2454/pyu-r-int-thick-7-2454028.pdf?src-supplier=Digi-Key, ComponentLink4Description=https://datasheet.ciiva.com/2454/pyu-r-int-thick-7-2454029.pdf?src-supplier=Digi-Key, ComponentLink4URL=https://datasheet.ciiva.com/2454/pyu-r-int-thick-7-2454029.pdf?src-supplier=Digi-Key, ComponentLink5Description=https://datasheet.ciiva.com/2454/pyu-r-int-thick-7-2454027.pdf?src-supplier=Digi-Key, ComponentLink5URL=https://datasheet.ciiva.com/2454/pyu-r-int-thick-7-2454027.pdf?src-supplier=Digi-Key, ComponentLink6Description=https://datasheet.ciiva.com/12557/rc0603-272842-12557941.pdf?src-supplier=Mouser, ComponentLink6URL=https://datasheet.ciiva.com/12557/rc0603-272842-12557941.pdf?src-supplier=Mouser, ComponentLink7Description=https://datasheet.ciiva.com/15189/getdatasheetpartid-324013-15189653.pdf?src-supplier=Verical, ComponentLink7URL=https://datasheet.ciiva.com/15189/getdatasheetpartid-324013-15189653.pdf?src-supplier=Verical, Construction=Rectangular, Depth=0.8mm, Features="Moisture Resistant", Height=0.45mm, Lead Free="Lead Free", Length=1.6mm, Military Standard=Not, Number of Terminations=2, Packaging="Tape and Reel", Power Rating=100mW, Pricing 1="1=0,10000, 10=0,02300, 100=0,00930, 1000=0,00417, 2500=0,00362 (USD)", REACH SVHC="No SVHC", RoHS=Yes, RoHS Compliant=Yes, Series=RC, Stock 1=807169, Supplier 1=Digi-Key, Technology="THICK FILM", Termination=SMD/SMT, Tolerance=1%, Voltage Rating (DC)=50V, Width=0.8mm
R8: library part R_0603_1,5k, "Res Thin Film 0603 1.5K Ohm 0.1% 1/10W ±25ppm/°C 0.01% Molded SMD SMD Waffle Pack", Case Code (Imperial)=0603, Case Code (Metric)=1608, Manufacturer="Vishay Dale", Manufacturer Part Number=M55342E12B1B50RWS, Max Operating Temperature=150°C, Max Power Dissipation=100mW, Min Operating Temperature=-55°C, Package Quantity=1, Resistance=1.5kR, Resistor Type="Thin Film", Supplier Part Number 1=M55342E12B1B50RWS-MIL, Temperature Coefficient=25ppm/°C, Tolerance=0.1%, Case/Package=0603, Category="Chip SMD Resistors", ComponentLink1Description=https://datasheet.ciiva.com/14991/eh-14991606.pdf?src-supplier=Digi-Key, ComponentLink1URL=https://datasheet.ciiva.com/14991/eh-14991606.pdf?src-supplier=Digi-Key, Contact Plating=Tin,Lead, Failure Rate=0.01%, Features=Military, Height=0.033inch, Length=0.064inch, Military Standard=MIL-PRF-55342, Number of Terminations=2, Packaging=Waffle, Radiation Hardening=No, RoHS=No, RoHS Compliant=No, Series="Military, MIL-PRF-55342, RM0603", Supplier 1=Digi-Key, Width=0.032inch
R9: library part R_0603_1M, "Res Thick Film 0603 1M Ohm 1% 1/10W ±100ppm/°C Molded SMD Paper T/R", Case Code (Imperial)=0603, Case Code (Metric)=1608, Manufacturer=Yageo, Manufacturer Part Number=RC0603FR-071ML, Max Operating Temperature=155°C, Min Operating Temperature=-55°C, Package Quantity=5000, Power Rating=100mW, Resistance=1MR, Resistor Type="Thick Film", Supplier Part Number 1=311-1.00MHRCT-ND, Temperature Coefficient=100ppm/°C, Tolerance=1%, Voltage Rating=75V, Voltage Rating (DC)=50V, Application(s)="HIGH RELIABILITY", Case/Package=0603, Category="Chip SMD Resistors", ComponentLink1Description=https://datasheet.ciiva.com/11819/0900766b80f96399-11819295.pdf?src-supplier=RSComponents, ComponentLink1URL=https://datasheet.ciiva.com/11819/0900766b80f96399-11819295.pdf?src-supplier=RSComponents, ComponentLink2Description=https://datasheet.ciiva.com/7983/443971-7983614.pdf?src-supplier=Element14, ComponentLink2URL=https://datasheet.ciiva.com/7983/443971-7983614.pdf?src-supplier=Element14, ComponentLink3Description=https://datasheet.ciiva.com/12555/rc0603-272842-12555388.pdf?src-supplier=Mouser, ComponentLink3URL=https://datasheet.ciiva.com/12555/rc0603-272842-12555388.pdf?src-supplier=Mouser, Depth=0.8mm, Height=0.45mm, Lead Free="Lead Free", Length=1.6mm, Military Standard=Not, Number of Pins=2, Packaging="Cut Tape", Pricing 1="1=0,10000, 10=0,02300, 100=0,00930, 1000=0,00417, 2500=0,00362 (USD)", REACH SVHC="No SVHC", RoHS=Yes, RoHS Compliant=Yes, Series=RC, Stock 1=2868696, Supplier 1=Digi-Key, Technology="THICK FILM", Termination=SMD/SMT, Type="General Purpose", Weight=0.000847oz, Width=0.8mm
SW1: library part "Button N/O", "Switch Tactile N.O. SPST Rectangular Button F-Lead 0.05A 12VDC 2.45N SMD T/R", Manufacturer="ITT C&K", Manufacturer Part Number=PTS636SK25FSMTRLFS, Supplier Part Number 1=CKN12330-1-ND, Pricing 1="1=0,18000, 10=0,17400, 25=0,16480, 100=0,14980, 250=0,14080, 500=0,12882, 1000=0,10786 (USD)", RoHS=No, Stock 1=25598, Supplier 1=Digi-Key
U1: "IC MCU 32BIT 64KB FLASH 48LQFP", Case/Package=LQFP, Frequency=72MHz, Manufacturer=STMicroelectronics, Max Operating Temperature=85°C, Max Power Dissipation=363mW, Max Supply Voltage=3.6V, Min Operating Temperature=-40°C, Min Supply Voltage=2V, Package Quantity=1500, Supplier Part Number 1=497-6063-ND, Address Bus Width=32b, Category=Microcontrollers, ComponentLink1Description=https://datasheet.ciiva.com/15122/getdatasheetpartid-69880-15122076.pdf?src-supplier=Verical, ComponentLink1URL=https://datasheet.ciiva.com/15122/getdatasheetpartid-69880-15122076.pdf?src-supplier=Verical, ComponentLink2Description=https://datasheet.ciiva.com/8054/1730126-8054942.pdf?src-supplier=Element14, ComponentLink2URL=https://datasheet.ciiva.com/8054/1730126-8054942.pdf?src-supplier=Element14, ComponentLink3Description=https://datasheet.ciiva.com/14100/pustm-arm-microcont-stm32f103-en-14100508.pdf?src-supplier=Distrelec, ComponentLink3URL=https://datasheet.ciiva.com/14100/pustm-arm-microcont-stm32f103-en-14100508.pdf?src-supplier=Distrelec, ComponentLink4Description=https://datasheet.ciiva.com/16210/cd00161566-16210248.pdf?src-supplier=Future+Electronics, ComponentLink4URL=https://datasheet.ciiva.com/16210/cd00161566-16210248.pdf?src-supplier=Future+Electronics, ComponentLink5Description=https://datasheet.ciiva.com/48687/001075658-da-01-en-mcu-64kb-mem-stm32f103c8t6-lqfp-48-stm-48687589.pdf?src-supplier=Conrad, ComponentLink5URL=https://datasheet.ciiva.com/48687/001075658-da-01-en-mcu-64kb-mem-stm32f103c8t6-lqfp-48-stm-48687589.pdf?src-supplier=Conrad, Core Architecture=ARM, Data Bus Width=32b, Density=64KB, Height=1.4mm, Interface=I2C,SPI,USB,CAN,USART, Lead Free="Lead Free", Length=7mm, Manufacturer Part Number=STM32F103C8T6, Max Frequency=72MHz, Memory Size=64KB, Memory Type=FLASH, Number of ADC Channels=10, Number of Bits=32, Number of I2C Channels=2, Number of I/Os=37, Number of Pins=48, Number of Programmable I/O=48, Number of PWM Channels=1, Number of SPI Channels=2, Number of Timers/Counters=3, Oscillator Type=Internal, Packaging=Tray, Peripherals="POR,PWM,WDT,DMA,Temp Sensor,I2C", Radiation Hardening=No, RAM Size=20KB, REACH SVHC="No SVHC", RoHS=Yes, RoHS Compliant=Yes, Series=STM32F103C8, Supplier 1=Digi-Key, Termination=SMD/SMT, Watchdog Timer=Yes, Weight=0.006349oz, Width=7mm
U2: "IC REG LDO 3.3V 0.3A SOT23-5", Case/Package=SOT-23-5, Dropout Voltage=220mV, Manufacturer=Richtek, Max Input Voltage=5.5V, Max Operating Temperature=125°C, Min Current Limit=360mA, Min Input Voltage=2.5V, Min Operating Temperature=-40°C, Nominal Output Voltage=3.3V, Output Current=300mA, Supplier Part Number 1=1028-1014-1-ND, Category="Voltage Regulators - Linear", ComponentLink1Description=https://datasheet.ciiva.com/2046/3d3futf-83fb3frfm5mtkzlte2lnbkzg3d3d3f3d-2046896.pdf?src-supplier=Digi-Key, ComponentLink1URL=https://datasheet.ciiva.com/2046/3d3futf-83fb3frfm5mtkzlte2lnbkzg3d3d3f3d-2046896.pdf?src-supplier=Digi-Key, ComponentLink2Description=https://datasheet.ciiva.com/28652/1782157-28652989.pdf?src-supplier=Element14, ComponentLink2URL=https://datasheet.ciiva.com/28652/1782157-28652989.pdf?src-supplier=Element14, Lead Free="Lead Free", Manufacturer Part Number=RT9193-33GB, Mount="Surface Mount", Number of Pins=5, Number of Regulators=1, Output Voltage=3.3V, Packaging="Tape and Reel", Pricing 1="1=0,50000, 10=0,40900, 25=0,37360, 100=0,27810, 250=0,25208, 500=0,20860, 1000=0,15646 (USD)", REACH SVHC=Unknown, RoHS=Yes, RoHS Compliant=Yes, Series=-, Stock 1=13168, Supplier 1=Digi-Key
Y1: library part CK_8Mhz, "Crystal 8MHz ±20ppm (Tol) ±50ppm (Stability) 18pF FUND 80Ohm 2-Pin HC-49/US Thru-Hole Bulk", ESR (Equivalent Series Resistance)=80R, Frequency=8MHz, Frequency Stability=50ppm, Frequency Tolerance=20ppm, Load Capacitance=18pF, Manufacturer=Abracon, Manufacturer Part Number=ABL-8.000MHZ-B2, Max Operating Temperature=70°C, Min Operating Temperature=-20°C, Operating Frequency="8 MHz", Package Quantity=1000, Supplier Part Number 1=535-9062-ND, Category=Resonators, ComponentLink1Description=https://datasheet.ciiva.com/862/abl-862079.pdf?src-supplier=Digi-Key, ComponentLink1URL=https://datasheet.ciiva.com/862/abl-862079.pdf?src-supplier=Digi-Key, ComponentLink2Description=https://datasheet.ciiva.com/7998/1359171-7998413.pdf?src-supplier=Element14, ComponentLink2URL=https://datasheet.ciiva.com/7998/1359171-7998413.pdf?src-supplier=Element14, Height=0.138inch, Lead Free="Lead Free", Length=0.453inch, Mount="Through Hole", Number of Pins=2, Packaging=Bulk, Pricing 1="1=0,33000, 10=0,27800, 50=0,25000, 100=0,22220, 500=0,21108, 1000=0,17776, 2500=0,16665, 5000=0,16110, 10000=0,15554 (USD)", Radiation Hardening=No, REACH SVHC="No SVHC", RoHS=Yes, Series=ABL, Series Resistance=80R, Stock 1=22979, Supplier 1=Digi-Key, Termination=Radial, Tolerance=20ppm, Width=0.197inch
Y2: library part CK_32.768Khz, "Crystal, Plastic Molded 32.768Khz, 6Pf, 10Ppm-40+85C, 8 X 3.8 X 2.5 Rohs Compliant: Yes", Case/Package=SMD/SMT, ESR (Equivalent Series Resistance)=50kR, Frequency=32.768kHz, Frequency Tolerance=10ppm, Load Capacitance=6pF, Manufacturer=Abracon, Manufacturer Part Number=ABS25-32.768KHZ-6-1-T, Max Operating Temperature=85°C, Min Operating Temperature=-40°C, Operating Frequency="32.768 kHz", Package Quantity=3000, Supplier Part Number 1=535-10241-1-ND, Category=Crystals, ComponentLink1Description=https://datasheet.ciiva.com/854/abs25-854528.pdf?src-supplier=Avnet, ComponentLink1URL=https://datasheet.ciiva.com/854/abs25-854528.pdf?src-supplier=Avnet, ComponentLink2Description=https://datasheet.ciiva.com/854/abs25-854872.pdf?src-supplier=Digi-Key, ComponentLink2URL=https://datasheet.ciiva.com/854/abs25-854872.pdf?src-supplier=Digi-Key, ComponentLink3Description=https://datasheet.ciiva.com/854/abs25-854873.pdf?src-supplier=Digi-Key, ComponentLink3URL=https://datasheet.ciiva.com/854/abs25-854873.pdf?src-supplier=Digi-Key, ComponentLink4Description=https://datasheet.ciiva.com/854/abs25-854874.pdf?src-supplier=Digi-Key, ComponentLink4URL=https://datasheet.ciiva.com/854/abs25-854874.pdf?src-supplier=Digi-Key, ComponentLink5Description=https://datasheet.ciiva.com/4944/abs25-35653-4944891.pdf?src-supplier=Mouser, ComponentLink5URL=https://datasheet.ciiva.com/4944/abs25-35653-4944891.pdf?src-supplier=Mouser, ComponentLink6Description=https://datasheet.ciiva.com/16416/abs25-16416758.pdf?src-supplier=Future+Electronics, ComponentLink6URL=https://datasheet.ciiva.com/16416/abs25-16416758.pdf?src-supplier=Future+Electronics, ComponentLink7Description=https://datasheet.ciiva.com/1357/1856019-1357323.pdf?src-supplier=Element14, ComponentLink7URL=https://datasheet.ciiva.com/1357/1856019-1357323.pdf?src-supplier=Element14, Depth=3.8mm, Height=0.098inch, Lead Free="Lead Free", Length=8mm, Mount="Surface Mount", Number of Pins=4, Packaging="Tape and Reel", Pricing 1="1=1,26000, 10=1,20600, 50=1,17800, 100=1,00980, 500=0,98176, 1000=0,82748 (USD)", Radiation Hardening=No, REACH SVHC="No SVHC", RoHS=Yes, RoHS Compliant=Yes, Series=ABS25, Series Resistance=50kR, Stock 1=153989, Supplier 1=Digi-Key, Termination=SMD/SMT, Tolerance=10ppm, Width=0.15inch

## Nets (pads, with @x,y where several pads share a name; then routed paths per layer and width w, separated by ;. In a path a pad name is that pad's centre, name@x,y a point inside that pad or via, vN(x,y) a via of type N, cw(c..) or ccw(c..) an arc to the next point about the centre after c; other vN are vias at no path point)
+5: C2.2 C3.2 J3.3 J4.1 R8.1 U2.1 U2.3
BOOT0: R3.1 U1.44
BOOT0_R: J1.3 R3.2
BOOT1: R4.2 U1.20
BOOT1_R: J1.4 R4.1
BP_C: C4.2 U2.4
D+_R: J4.3 R7.1
D-_R: J4.2 R6.1
GND: C1.1 C2.1 C3.1 C4.1 C5.1 C6.1 C7.1 C8.1 C9.1 C10.1 C12.1 C13.1 C15.1 J1.5 J1.6 J2.19 J2.20 J3.2 J4.4 J4.5 J4.6 J4.7 J4.8 J4.9 J4.10 J4.11 J5.4 R2.2 SW1.1 U1.8 U1.23 U1.35 U1.47 U2.2
NetC11_1: C11.1 C14.1
OSCIN: C11.2 R9.2 U1.5 Y1.2
OSCOUT: C14.2 R9.1 U1.6 Y1.1
PA0: J2.5 U1.10
PA1: J2.6 U1.11
PA2: J2.7 U1.12
PA3: J2.8 U1.13
PA4: J2.9 U1.14
PA5: J2.10 U1.15
PA6: J2.11 U1.16
PA7: J2.12 U1.17
PA8: J3.16 U1.29
PA9: J3.15 U1.30
PA10: J3.14 U1.31
PA11: J3.13 R6.2 U1.32
PA12: J3.12 R7.2 R8.2 U1.33
PA15: J3.11 U1.38
PB0: J2.13 U1.18
PB1: J2.14 U1.19
PB3: J3.10 U1.39
PB4: J3.9 U1.40
PB5: J3.8 U1.41
PB6: J3.7 U1.42
PB7: J3.6 U1.43
PB8: J3.5 U1.45
PB9: J3.4 U1.46
PB10: J2.15 U1.21
PB11: J2.16 U1.22
PB12: J3.20 U1.25
PB13: J3.19 U1.26
PB14: J3.18 U1.27
PB15: J3.17 U1.28
PC13: J2.2 R5.2 U1.2
PC13_R: D2.1 R5.1
PC14: C12.2 J2.3 U1.3 Y2.2 | length 1.6
  Top Layer w0.254: Y2.2 Y2.2@13.023,-10.227
PC15: C15.2 J2.4 U1.4 Y2.1
PWR_R: D1.1 R2.1
RESET: C1.2 J2.17 R1.1 SW1.2 U1.7
SWDCLK: J5.3 U1.37
SWDIO: J5.2 U1.34
VBAT: J2.1 U1.1
VCC3V3: C5.2 C6.2 C7.2 C8.2 C9.2 C10.2 C13.2 D1.2 D2.2 J1.1 J1.2 J2.18 J3.1 J5.1 R1.2 U1.9 U1.24 U1.36 U1.48 U2.5

## Text inside footprints (layer, text, board x,y; h text height)
J1: Top Overlay "1" at 43.706,-18.886 h1 r90
J2: Top Overlay "A5" at 27.78,-1.12 h0.8; Top Overlay "A2" at 20.08,-1.12 h0.8; Top Overlay "A3" at 22.78,-1.12 h0.8; Top Overlay "A4" at 25.28,-1.12 h0.8; Top Overlay "A6" at 30.28,-1.12 h0.8; Top Overlay "A7" at 32.98,-1.12 h0.8; Top Overlay "A1" at 17.78,-1.12 h0.8; Top Overlay "VB" at 4.78,-1.12 h0.8; Top Overlay "C13" at 6.88,-1.12 h0.8; Top Overlay "C14" at 9.58,-1.12 h0.8; Top Overlay "C15" at 12.28,-1.12 h0.8; Top Overlay "A0" at 15.18,-1.12 h0.8; Top Overlay "B1" at 38.18,-1.12 h0.8; Top Overlay "B0" at 35.38,-1.12 h0.8; Top Overlay "B10" at 39.98,-1.12 h0.8; Top Overlay "B11" at 42.78,-1.12 h0.8; Top Overlay "R" at 45.78,-1.12 h0.8; Top Overlay "3.3" at 47.58,-1.12 h0.8; Top Overlay "G" at 50.88,-1.12 h0.8; Top Overlay "G" at 53.48,-1.12 h0.8; Assembly Notes "VB" at 4.78,-1.12 h0.8; Assembly Notes "C13" at 6.88,-1.12 h0.8; Assembly Notes "C14" at 9.58,-1.12 h0.8; Assembly Notes "C15" at 12.28,-1.12 h0.8; Assembly Notes "A0" at 15.18,-1.12 h0.8; Assembly Notes "A1" at 17.78,-1.12 h0.8; Assembly Notes "A2" at 20.08,-1.12 h0.8; Assembly Notes "A3" at 22.78,-1.12 h0.8; Assembly Notes "A4" at 25.28,-1.12 h0.8; Assembly Notes "A5" at 27.78,-1.12 h0.8; Assembly Notes "A6" at 30.28,-1.12 h0.8; Assembly Notes "A7" at 32.98,-1.12 h0.8; Assembly Notes "B0" at 35.38,-1.12 h0.8; Assembly Notes "B1" at 38.18,-1.12 h0.8; Assembly Notes "B10" at 39.98,-1.12 h0.8; Assembly Notes "B11" at 42.78,-1.12 h0.8; Assembly Notes "R" at 45.78,-1.12 h0.8; Assembly Notes "3.3" at 47.58,-1.12 h0.8; Assembly Notes "G" at 50.88,-1.12 h0.8; Assembly Notes "G" at 53.48,-1.12 h0.8
J3: Top Overlay "B12" at 52.79,-24.62 h0.8; Top Overlay "B13" at 50.19,-24.62 h0.8; Top Overlay "B14" at 47.59,-24.62 h0.8; Top Overlay "B15" at 44.89,-24.62 h0.8; Top Overlay "A8" at 42.79,-24.62 h0.8; Top Overlay "A9" at 40.19,-24.62 h0.8; Top Overlay "A10" at 37.29,-24.62 h0.8; Top Overlay "A11" at 34.99,-24.62 h0.8; Top Overlay "A12" at 32.29,-24.62 h0.8; Top Overlay "A15" at 29.59,-24.62 h0.8; Top Overlay "B3" at 27.49,-24.62 h0.8; Top Overlay "B4" at 24.99,-24.62 h0.8; Top Overlay "B5" at 22.39,-24.62 h0.8; Top Overlay "B6" at 19.89,-24.62 h0.8; Top Overlay "B7" at 17.49,-24.62 h0.8; Top Overlay "B8" at 14.79,-24.62 h0.8; Top Overlay "B9" at 12.19,-24.62 h0.8; Top Overlay "5V" at 9.69,-24.62 h0.8; Top Overlay "G" at 7.49,-24.62 h0.8; Top Overlay "3.3" at 4.19,-24.62 h0.8; Assembly Notes "B12" at 52.79,-24.62 h0.8; Assembly Notes "B13" at 50.19,-24.62 h0.8; Assembly Notes "B14" at 47.59,-24.62 h0.8; Assembly Notes "B15" at 44.89,-24.62 h0.8; Assembly Notes "A8" at 42.79,-24.62 h0.8; Assembly Notes "A9" at 40.19,-24.62 h0.8; Assembly Notes "A10" at 37.29,-24.62 h0.8; Assembly Notes "A11" at 34.99,-24.62 h0.8; Assembly Notes "A12" at 32.29,-24.62 h0.8; Assembly Notes "A15" at 29.59,-24.62 h0.8; Assembly Notes "B3" at 27.49,-24.62 h0.8; Assembly Notes "B4" at 24.99,-24.62 h0.8; Assembly Notes "B5" at 22.39,-24.62 h0.8; Assembly Notes "B6" at 19.89,-24.62 h0.8; Assembly Notes "B7" at 17.49,-24.62 h0.8; Assembly Notes "B8" at 14.79,-24.62 h0.8; Assembly Notes "B9" at 12.19,-24.62 h0.8; Assembly Notes "5V" at 9.69,-24.62 h0.8; Assembly Notes "G" at 7.49,-24.62 h0.8; Assembly Notes "3.3" at 4.19,-24.62 h0.8
J5: Top Overlay "GND" at 0.36,-7.84 h0.7 r270; Top Overlay "CLK" at 0.36,-10.44 h0.7 r270; Top Overlay "DIO" at 0.36,-13.04 h0.7 r270; Top Overlay "3V3" at 0.36,-15.44 h0.7 r270